# Altium PCB 1166V31.PcbDoc (part 6 of 7)
Units mil, origin at the board's own origin, x right, y up, seen from the top; angles counter-clockwise.
Board outline 6140.98 x 3937.01 mil, 8 copper layers (Top Layer, Layer 1, Layer 2, Layer 3, Layer 4, Layer 5, Layer 6, Bottom Layer), stack 63.002 mil thick; 647 components, 363 nets, 2300 pads, 1594 vias.
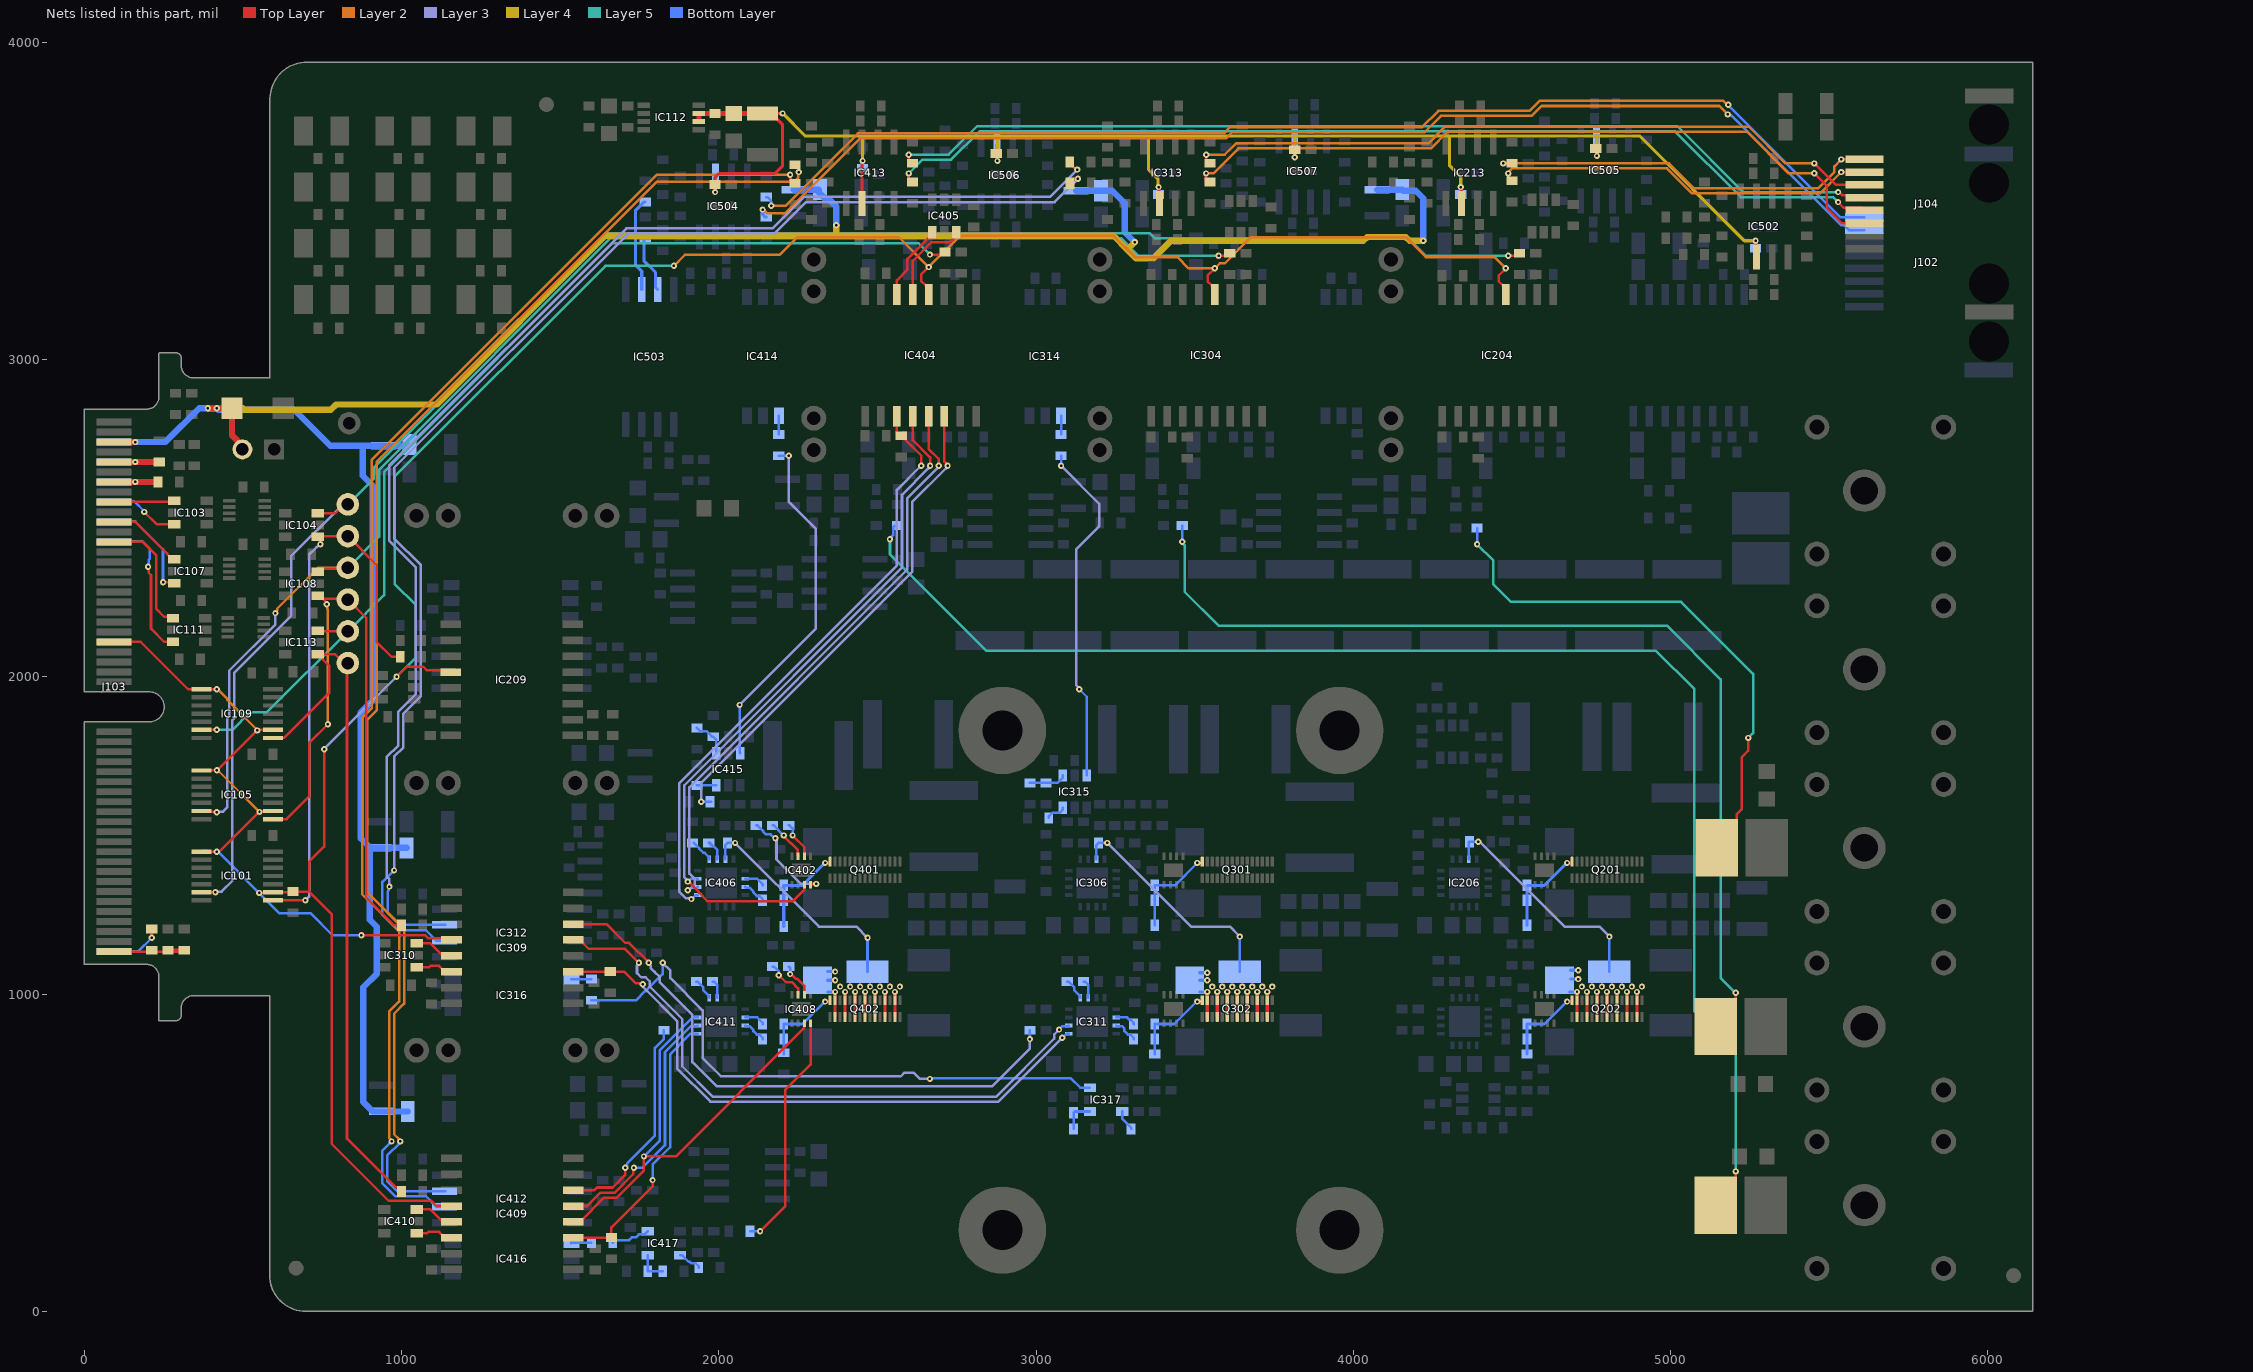
[diagram p12: the nets of this part, all layers, seen from the top]

## Via types
v1: diameter 19.68, hole 7.87, Top Layer to Bottom Layer, 1594 vias

## Nets (pads, with @x,y where several pads share a name; then routed paths per layer and width w, separated by ;. In a path a pad name is that pad's centre, name@x,y a point inside that pad or via, vN(x,y) a via of type N, cw(c..) or ccw(c..) an arc to the next point about the centre after c; other vN are vias at no path point) (continued)
NetIC309_3: IC309.3 IC311.1 R322.2 | length 1913.5
  Top Layer w8: IC309.3@1541.34,1070.47 1657.09,1070.47 R322.2@1657.48,1070.87 1701.38,1070.87 1738.89,1033.35 1758.05,1033.35 v1(1760.29,1031.12)
  Layer 2 w8: v1@3082.68,859.26 v1(3082.68,862.2)
  Layer 3 w8: v1(1760.29,1031.12) 1761.65,1029.76 1761.65,1021.49 1868.61,914.53 1868.61,765.81 1973.64,660.79 2881.26,660.79 3079.73,859.26 v1@3082.68,859.26
  Bottom Layer w8: v1(3082.68,862.2) 3083.66,862.2 3096.46,875 IC311.1@3102.36,875
NetIC309_5: IC309.5 IC311.2 | length 1990.7
  Top Layer w8: IC309.5@1541.34,1170.47 1562.01,1170.47 1589.87,1142.61 1703.72,1142.61 v1(1748.03,1098.3)
  Layer 2 w8: v1@3072.47,887.83 v1(3072.47,888.16)
  Layer 3 w8: v1(1748.03,1098.3) 1748.03,1095.14 1741.94,1089.04 1741.94,1065.76 1754.73,1052.96 1769.33,1052.96 1782.13,1040.17 1782.13,1023.64 1884.61,921.16 1884.61,772.44 1980.27,676.79 2874.63,676.79 3057.19,859.34 3057.19,872.55 v1@3072.47,887.83
  Bottom Layer w8: v1@3072.47,888.2 3082.95,898.69 3100.46,898.69 IC311.2@3102.36,900.59
NetIC309_6: IC309.6 R325.2 | length 1861.2
  Top Layer w8: IC309.6@1541.34,1220.47 1645.67,1220.47 1704.97,1161.17 1716.78,1161.17 1779.15,1098.8 v1(1779.15,1098.43)
  Layer 3 w8: v1(1779.15,1098.43) 1779.15,1095.26 1784.99,1089.42 1784.99,1082.73 1797.71,1070.02 1797.71,1069.84 1814.13,1053.42 1814.13,1036.9 1916.61,934.41 1916.61,785.7 1993.52,708.79 2861.38,708.79 2980.32,827.72 v1(2980.32,858.27)
  Bottom Layer w8: v1(2980.32,858.27) R325.2@2980.32,885.83
NetIC309_13: IC309.13 IC310.3 | length 129.2
  Top Layer w8: IC310.3@1047.24,1159.55 1090.85,1159.55 1131.89,1118.5 IC309.13@1159.45,1118.5
NetIC309_14: IC309.14 IC310.1 | length 100.4
  Top Layer w8: IC310.1@1047.24,1084.55 1086.87,1084.55 1091.22,1088.9 1118.39,1088.9 IC309.14@1137.8,1069.49
NetIC311_5: IC311.5 R329.1 | length 70.2
  Bottom Layer w8: R329.1@3098.43,1039.37 3102.36,1039.37 3119.89,1021.84 3119.89,1012.98 3138.78,994.09 IC311.5@3138.78,988.19
NetIC311_6: IC311.6 R330.1 | length 59.6
  Bottom Layer w8: R330.1@3149.61,1039.37 3153.54,1039.37 3164.37,1028.54 IC311.6@3164.37,988.19
NetIC311_10: IC311.10 R324.1 | length 66
  Bottom Layer w8: IC311.10@3251.97,926.18 3286.42,926.18 3293.37,919.23 3297.31,919.23 3307.09,909.45 R324.1@3307.09,905.51
NetIC311_11: IC311.11 R342.1 | length 79.6
  Bottom Layer w8: IC311.11@3251.97,900.59 3253.87,898.69 3270.61,898.69 3278.12,891.17 3278.12,883.18 3289.32,871.98 3297.31,871.98 3307.09,862.2 R342.1@3307.09,858.27
NetIC312_6: IC312.6 R338.1 | length 4291.2
  Top Layer w8: R338.1@3106.69,3555.12 3106.69,3559.06 3116.47,3568.83 3131.22,3568.83 v1(3131.8,3569.42)
  Layer 3 w8: v1(976.38,1389.76) 976.38,1748.03 1005.72,1777.37 1005.72,1883.67 1060.83,1938.79 1060.83,2352.05 976.63,2436.26 976.63,2658.73 1715.29,3397.39 2175.92,3397.39 2274.6,3496.06 3058.45,3496.06 v1(3131.8,3569.42)
  Bottom Layer w8: v1(976.38,1389.76) 939.76,1353.15 939.76,1250.66 988.71,1201.72 1076.24,1201.72 1110.24,1167.72 IC312.6@1137.8,1167.72
NetIC312_7: IC312.7 R334.1 | length 4277.1
  Top Layer w8: R334.1@3106.3,3622.05 3106.3,3618.11 3123.75,3600.66 3127.69,3600.66 v1(3129.92,3598.43)
  Layer 3 w8: v1(961.61,1338.58) 961.61,1362.02 952.76,1370.87 952.76,1747.04 989.72,1784 989.72,1890.3 1044.83,1945.41 1044.83,2344.93 960.63,2429.13 960.63,2665.35 1708.66,3413.39 2169.29,3413.39 2268.32,3512.41 3043.91,3512.41 v1(3129.92,3598.43)
  Bottom Layer w8: v1(961.61,1338.58) 959.37,1336.35 959.37,1327.61 955.76,1324.01 955.76,1257.29 995.34,1217.72 IC312.7@1137.8,1217.72
NetIC314_1: IC314.1 R344.2 | length 59.1
  Bottom Layer w8: R344.2@3078.74,2763.78 IC314.1@3078.74,2822.83
NetIC315_3: IC315.3 R346.2 | length 64.2
  Bottom Layer w8: R346.2@3039.37,1555.12 3039.37,1559.06 3051.79,1571.48 3075.05,1571.48 3084.55,1580.98 IC315.3@3084.55,1586.98
NetIC315_4: IC315.4 R347.2 R348.2 | length 117.5
  Bottom Layer w8: R348.2@2980.32,1665.35 R347.2@3031.5,1665.35 3066.93,1665.35 3084.55,1682.98 IC315.4@3084.55,1688.98
NetIC315_6: IC315.6 R344.1 | length 1101.2
  Layer 3 w8: v1(3078.74,2665.35) 3199.01,2545.09 3199.01,2475.2 3196.85,2473.05 3196.85,2472.44 3126.77,2402.36 3126.77,1972.85 3135.83,1963.79 v1(3135.83,1960.63)
  Bottom Layer w8: v1(3078.74,2665.35) R344.1@3078.74,2696.85 ; v1(3135.83,1960.63) 3159.55,1936.91 IC315.6@3159.55,1688.98
NetIC316_1: IC316.1 R350.2 | length 63.5
  Bottom Layer w8: IC316.1@1535.43,1046.06 1536.61,1047.24 R350.2@1598.43,1047.24
NetIC317_3: IC317.3 R352.2 | length 66.3
  Bottom Layer w8: IC317.3@3271.65,629.72 3271.65,606.3 3279.53,598.43 3299.21,578.74 R352.2@3299.21,574.8
NetIC317_4: IC317.4 R353.2 R354.2 | length 104.3
  Bottom Layer w8: R354.2@3118.11,574.8 R353.2@3118.11,625.98 3121.85,629.72 IC317.4@3169.65,629.72
NetIC317_6: IC317.6 R350.1 | length 1917.3
  Layer 3 w8: v1(1822.84,1098.41) 1847.08,1074.17 1847.08,1050.15 1948.61,948.61 1948.61,798.95 2006.78,740.79 2573.75,740.79 2585.43,752.47 2613.67,752.47 2633.86,732.28 v1(2665.35,732.28)
  Bottom Layer w8: R350.1@1598.43,980.31 1738.76,980.31 1767.72,1009.28 1769.33,1009.28 1822.84,1062.78 v1(1822.84,1098.41) ; v1(2665.35,732.28) 2667.51,734.44 3109.3,734.44 3139.02,704.72 IC317.6@3169.65,704.72
NetIC402_2: IC402.2 R406.1 | length 118.1
  Top Layer w8: v1(2232.41,1500) 2269.69,1462.72 IC402.2@2269.69,1435.04
  Bottom Layer w8: R406.1@2220.47,1531.5 2222.63,1531.5 2232.41,1521.72 v1(2232.41,1500)
NetIC402_3: IC402.3 R405.1 | length 133.8
  Top Layer w8: v1(2204.72,1499.87) 2204.72,1496.8 2226.87,1474.65 2228.53,1474.65 2249.08,1454.1 2249.08,1435.96 IC402.3@2250,1435.04
  Bottom Layer w8: R405.1@2169.29,1531.5 2173.23,1531.5 2187.9,1516.82 2187.9,1515.6 2203.63,1499.87 v1(2204.72,1499.87)
NetIC402_7: IC402.7 IC404.4 IC406.3 | length 2274.7
  Top Layer w8: v1(1901.57,1354.46) 1904.74,1354.46 1910.58,1348.61 ; 1910.62,1348.61 1937.01,1322.23 1937.01,1319.5 1963.39,1293.12 2234.06,1293.12 2268.76,1327.82 2268.76,1343.57 IC402.7@2269.69,1344.49 ; IC404.4@2611.02,2820.87 2611.02,2746.25 2665.61,2691.67 v1(2665.61,2665.35)
  Layer 2 w8: v1(1901.57,1354.46) v1@1901.57,1357.62
  Layer 3 w8: v1@1901.57,1357.62 1891.29,1367.9 1891.29,1658.01 2577.21,2343.93 2577.21,2573.28 2659.76,2655.83 2659.76,2656.35 2665.61,2662.19 v1(2665.61,2665.35)
  Bottom Layer w8: v1(1901.57,1354.46) 1902.93,1354.46 1911.66,1363.19 IC406.3@1933.07,1363.19
NetIC402_8: IC402.8 R445.2 | length 327.7
  Top Layer w8: IC402.8@2289.37,1344.49 2289.37,1344.81 2290.29,1345.73 2305.84,1345.73 v1(2307.09,1346.98)
  Layer 3 w8: v1(2178.42,1491.25) v1@2178.42,1489.35 ; v1@2182.36,1485.41 v1@2178.42,1489.35 ; v1(2307.09,1346.98) 2259.32,1346.98 2181.73,1424.57 2181.73,1486.04 v1@2178.42,1489.35
  Bottom Layer w8: R445.2@2118.11,1531.5 2122.05,1531.5 2139.57,1513.97 2139.57,1512.75 2149.19,1503.13 2163.44,1503.13 2175.33,1491.25 v1(2178.42,1491.25)
NetIC404_3: IC404.3 IC406.1 R408.2 | length 1923.6
  Top Layer w8: IC404.3@2561.02,2820.87 2561.02,2773.62 2561.09,2773.56 2561.09,2769.62 2570.87,2759.84 R408.2@2574.8,2759.84 2578.74,2759.84 2588.52,2750.06 2588.52,2746.13 2637.92,2696.72 v1(2637.92,2665.35)
  Layer 2 w8: v1@1911.15,1301.45 v1(1913.39,1299.21)
  Layer 3 w8: v1@1911.15,1301.45 1896.01,1301.45 1875.29,1322.17 1875.29,1664.64 2561.21,2350.56 2561.21,2588.65 v1(2637.92,2665.35)
  Bottom Layer w8: v1(1913.39,1299.21) 1914.37,1299.21 1927.17,1312.01 IC406.1@1933.07,1312.01
NetIC404_5: IC404.5 IC406.2 | length 1889.8
  Top Layer w8: IC404.5@2661.02,2820.87 2661.42,2820.47 2661.42,2718.48 2692.7,2687.2 2692.7,2665.94 v1(2693.29,2665.35)
  Layer 2 w8: v1(1901.57,1326.77) v1@1904.74,1326.77
  Layer 3 w8: v1(1901.57,1326.77) 1904.78,1326.77 1923.42,1345.41 1923.42,1363.5 1907.29,1379.63 1907.29,1651.39 2593.21,2337.31 2593.21,2562.07 2687.45,2656.31 ; 2687.45,2656.35 2693.29,2662.19 v1(2693.29,2665.35)
  Bottom Layer w8: v1(1901.57,1326.77) 1904.74,1326.77 1913.66,1335.69 1931.17,1335.69 IC406.2@1933.07,1337.6
NetIC404_6: IC404.6 R411.2 | length 1571.7
  Top Layer w8: IC404.6@2711.02,2820.87 2711.02,2678.47 2720.98,2668.52 v1(2720.98,2665.35)
  Layer 3 w8: v1(1944.88,1606.3) 1944.88,1666.35 2609.21,2330.68 2609.21,2550.39 2715.13,2656.31 ; 2715.13,2656.35 2720.98,2662.19 v1(2720.98,2665.35)
  Bottom Layer w8: v1(1944.88,1606.3) R411.2@1972.44,1606.3 R411.2@1976.38,1606.3
NetIC404_13: IC404.13 IC405.3 | length 288.1
  Top Layer w8: IC404.13@2611.02,3204.72 2611.02,3310.94 2670.16,3370.07 2729,3370.07 2738.53,3379.6 2738.53,3392.07 IC405.3@2748.03,3401.57
NetIC404_14: IC404.14 IC405.1 | length 243.2
  Top Layer w8: IC404.14@2561.02,3204.72 2561.02,3249.53 2594.49,3282.99 2594.49,3317.03 2673.03,3395.57 IC405.1@2673.03,3401.57
NetIC406_5: IC406.5 R414.1 | length 73.6
  Bottom Layer w8: R414.1@1921.26,1476.38 1938.79,1458.85 1938.79,1457.63 1951.1,1445.32 1955.27,1445.32 1969.49,1431.1 IC406.5@1969.49,1425.2
NetIC406_6: IC406.6 R415.1 | length 74.2
  Bottom Layer w8: R415.1@1975.39,1469.49 R415.1@1968.5,1476.38 1972.44,1476.38 1995.08,1453.74 IC406.6@1995.08,1425.2
NetIC406_10: IC406.10 R410.1 | length 66
  Bottom Layer w8: IC406.10@2082.68,1363.19 2121.06,1363.19 2137.8,1346.46 R410.1@2137.8,1342.52
NetIC406_11: IC406.11 R441.1 | length 76.8
  Bottom Layer w8: IC406.11@2082.68,1337.6 2084.58,1335.69 2096.51,1335.69 2108.49,1323.71 2108.49,1320.53 2120.03,1308.99 2128.02,1308.99 2137.8,1299.21 R441.1@2137.8,1295.28
NetIC408_2: IC408.2 R421.1 | length 113.6
  Top Layer w8: v1(2224.41,1062.99) 2227.35,1062.99 2241.69,1048.66 2246.62,1048.66 2269.69,1025.59 IC408.2@2269.69,998.03
  Bottom Layer w8: R421.1@2220.47,1086.61 2224.41,1082.68 v1(2224.41,1062.99)
NetIC408_3: IC408.3 R420.1 | length 135.9
  Top Layer w8: v1(2188.98,1059.06) 2210.76,1037.27 2230.45,1037.27 2250,1017.72 IC408.3@2250,998.03
  Bottom Layer w8: R420.1@2169.29,1086.61 2173.23,1086.61 2188.98,1070.87 v1(2188.98,1059.06)
NetIC408_7: IC408.7 IC409.4 IC411.3 | length 1539.3
  Top Layer w8: IC409.4@1541.34,281.89 1562.01,281.89 1638.39,358.27 1678.73,358.27 1763.78,443.32 v1(1763.78,488.19) 1864.23,488.19 2268.76,892.72 2268.76,906.56 IC408.7@2269.69,907.48
  Bottom Layer w8: v1(1763.78,488.19) 1814.27,538.68 1814.27,823.34 1917.11,926.18 IC411.3@1933.07,926.18
NetIC408_8: IC408.8 R451.2 | length 753.1
  Top Layer w8: v1(2129.92,251.97) 2208.66,330.71 2208.66,696.85 2289.37,777.56 IC408.8@2289.37,907.48
  Bottom Layer w8: R451.2@2098.43,251.97 v1(2129.92,251.97)
NetIC409_3: IC409.3 IC411.1 R422.2 | length 888.3
  Top Layer w8: IC409.3@1541.34,231.89 1661.02,231.89 R422.2@1661.42,232.28 1661.42,264.1 1791.21,393.9 v1(1791.21,413.51)
  Bottom Layer w8: v1(1791.21,413.51) 1791.21,462.1 1846.27,517.16 1846.27,810.09 1911.18,875 IC411.1@1933.07,875
NetIC409_5: IC409.5 IC411.2 | length 809.5
  Top Layer w8: IC409.5@1541.34,331.89 1584.85,331.89 1627.23,374.27 1672.1,374.27 1730.17,432.34 1730.17,450.52 v1(1732.41,452.76)
  Bottom Layer w8: v1(1732.41,452.76) 1759.24,452.76 1830.27,523.79 1830.27,816.72 1912.24,898.69 1931.17,898.69 IC411.2@1933.07,900.59
NetIC409_6: IC409.6 R425.2 | length 690
  Top Layer w8: IC409.6@1541.34,381.89 1607.49,381.89 1615.87,390.27 1665.47,390.27 1704.72,429.52 v1(1704.72,452.76)
  Bottom Layer w8: v1(1704.72,452.76) 1704.72,455.92 1710.57,461.76 1710.57,465.87 1798.27,553.57 1798.27,829.97 1826.77,858.47 R425.2@1826.77,885.83
NetIC409_13: IC409.13 IC410.3 | length 129.2
  Top Layer w8: IC410.3@1047.24,320.96 1090.85,320.96 1131.89,279.92 IC409.13@1159.45,279.92
NetIC409_14: IC409.14 IC410.1 | length 122.5
  Top Layer w8: IC410.1@1047.24,245.96 1080.81,245.96 1085.16,250.31 1118.39,250.31 1138.78,229.92 IC409.14@1159.45,229.92
NetIC411_5: IC411.5 R429.1 | length 70.2
  Bottom Layer w8: R429.1@1929.13,1039.37 1933.07,1039.37 1950.6,1021.84 1950.6,1012.98 1969.49,994.09 IC411.5@1969.49,988.19
NetIC411_6: IC411.6 R430.1 | length 59.6
  Bottom Layer w8: R430.1@1980.32,1039.37 1984.25,1039.37 1995.08,1028.54 IC411.6@1995.08,988.19
NetIC411_10: IC411.10 R424.1 | length 66
  Bottom Layer w8: IC411.10@2082.68,926.18 2121.06,926.18 2137.8,909.45 R424.1@2137.8,905.51
NetIC411_11: IC411.11 R442.1 | length 76.8
  Bottom Layer w8: IC411.11@2082.68,900.59 2084.58,898.69 2096.51,898.69 2108.49,886.7 2108.49,883.52 2120.03,871.98 2128.02,871.98 2137.8,862.2 R442.1@2137.8,858.27
NetIC412_6: IC412.6 R438.1 | length 4326.3
  Top Layer w8: v1(2224.41,3582.55) 2224.41,3570.87 2226.44,3568.83 2226.44,3564.9 2236.22,3555.12 R438.1@2240.16,3555.12
  Layer 2 w8: v1(968.38,535.43) 968.38,538.6 960.88,546.09 960.88,945.13 992.13,976.38 992.13,1197.85 875.54,1314.43 875.54,1870.61 905.51,1900.58 905.51,2683.25 1804.82,3582.55 v1(2224.41,3582.55)
  Bottom Layer w8: v1(968.38,535.43) 968.38,535.31 938.54,505.46 938.54,403.98 979.39,363.13 1076.24,363.13 1110.24,329.13 IC412.6@1137.8,329.13
NetIC412_7: IC412.7 R434.1 | length 4309
  Top Layer w8: R434.1@2240.16,3614.17 2242.19,3614.17 2251.97,3604.39 v1(2251.97,3590.55)
  Layer 2 w8: v1(996.06,535.43) 996.06,538.6 990.22,544.44 990.22,544.61 976.88,557.95 976.88,938.51 1008.13,969.75 1008.13,1204.47 891.54,1321.06 891.54,1863.98 921.51,1893.95 921.51,2676.62 1805.6,3560.71 2237.87,3560.71 2249.73,3572.57 2249.73,3588.32 v1(2251.97,3590.55)
  Bottom Layer w8: v1(996.06,535.43) 996.06,532.1 954.54,490.57 954.54,410.61 986.01,379.13 IC412.7@1137.8,379.13
NetIC414_1: IC414.1 R444.2 | length 59.1
  Bottom Layer w8: R444.2@2188.98,2763.78 IC414.1@2188.98,2822.83
NetIC415_3: IC415.3 R446.2 | length 60.9
  Bottom Layer w8: R446.2@1931,1657.48 IC415.3@1991.93,1657.48
NetIC415_4: IC415.4 R447.2 R448.2 | length 118.2
  Bottom Layer w8: R448.2@1931,1838.58 1940.78,1828.8 1960.47,1828.8 1978.25,1811.02 R447.2@1982.19,1811.02 1991.93,1801.28 IC415.4@1991.93,1759.48
NetIC415_6: IC415.6 R444.1 | length 1104.5
  Layer 3 w8: v1(2065.34,1911.04) 2305.83,2151.53 2305.83,2465.82 2220.47,2551.18 v1(2220.47,2696.85)
  Bottom Layer w8: v1(2065.34,1911.04) 2065.34,1761.07 IC415.6@2066.93,1759.48 ; R444.1@2188.98,2696.85 v1(2220.47,2696.85)
NetIC416_1: IC416.1 R450.2 | length 63.5
  Bottom Layer w8: IC416.1@1535.43,215.35 1536.61,216.54 R450.2@1598.43,216.54
NetIC417_3: IC417.3 R452.2 | length 78
  Bottom Layer w8: IC417.3@1877.59,177.17 1883.59,177.17 1905.06,155.7 1908.51,155.7 1912.7,151.51 1927.23,151.51 1937.01,141.73 R452.2@1937.01,137.8
NetIC417_4: IC417.4 R453.2 R454.2 | length 98.4
  Bottom Layer w8: IC417.4@1775.59,177.17 R453.2@1775.59,125.98 R454.2@1822.83,125.98
NetIC417_6: IC417.6 R450.1 | length 125
  Bottom Layer w8: R450.1@1665.35,216.54 1673.23,224.41 1716.92,224.41 1725.67,233.17 1738.32,233.17 1747.82,242.67 1766.09,242.67 IC417.6@1775.59,252.17
NetIC503_6: IC503.6 R520.1 | length 298.9
  Bottom Layer w10: IC503.6@1757.09,3220.47 1757.09,3278.35 1737,3298.43 1737,3469.28 1763.78,3496.06 R520.1@1767.72,3496.06
NetIC503_7: IC503.7 R514.1 | length 181
  Bottom Layer w10: R514.1@1767.72,3381.89 1763.78,3377.95 1763.78,3311.02 1800.28,3274.53 1800.28,3227.28 IC503.7@1807.09,3220.47
NetJ103_99: J103.99 R102.2 R103.1 R104.2 | length 278
  Top Layer w8: J103.99@93.96,1133.68 R102.2@259.67,1133.68 ; R102.2@263.78,1137.8 R102.2@259.67,1133.68 ; R104.2@314.96,1133.68 R102.2@259.67,1133.68
  Top Layer w10: R102.2@263.78,1137.8 R104.2@314.96,1137.8
NetJ103_100: J103.100 R103.2 | length 164.2
  Top Layer w8: v1(212.6,1177.17) R103.2@212.6,1204.72
  Bottom Layer w8: J103.100@93.96,1133.68 169.12,1133.68 v1(212.6,1177.17)
NetQ201_1: Q201.1 R209.2 R210.2 R241.2 | length 297.1
  Top Layer w10: v1(4673.23,1413.39) Q201.1@4688.98,1413.39
  Bottom Layer w10: R209.2@4547.24,1216.54 R241.2@4547.24,1295.28 R210.2@4547.24,1342.52 4602.36,1342.52 v1(4673.23,1413.39)
NetQ202_1: Q202.1 R223.2 R224.2 R242.2 | length 265.6
  Top Layer w10: v1(4673.23,976.38) Q202.1@4688.98,976.38
  Bottom Layer w10: R223.2@4547.24,811.02 R242.2@4547.24,858.27 R224.2@4547.24,905.51 4602.36,905.51 v1(4673.23,976.38)
NetQ301_1: Q301.1 R309.2 R310.2 R341.2 | length 304.9
  Top Layer w10: v1(3507.87,1413.39) Q301.1@3523.62,1413.39
  Bottom Layer w8: R309.2@3374.02,1216.54 R341.2@3374.02,1295.28 R310.2@3374.02,1342.52 3437.01,1342.52 v1(3507.87,1413.39)
NetQ302_1: Q302.1 R323.2 R324.2 R342.2 | length 273.4
  Top Layer w10: v1(3507.87,976.38) Q302.1@3523.62,976.38
  Bottom Layer w8: R323.2@3374.02,811.02 R324.2@3374.02,905.51 3435.39,905.51 3506.26,976.38 v1(3507.87,976.38)
NetQ401_1: Q401.1 R409.2 R410.2 R441.2 | length 307.7
  Top Layer w10: v1(2334.65,1413.39) Q401.1@2350.39,1413.39
  Bottom Layer w10: R409.2@2204.72,1212.6 R441.2@2204.72,1295.28 R410.2@2204.72,1342.52 2263.78,1342.52 v1(2334.65,1413.39) ; v1@2332.68,1415.35 v1@2334.65,1417.32
NetQ402_1: Q402.1 R423.2 R424.2 R442.2 | length 271.1
  Top Layer w10: v1(2334.65,976.38) Q402.1@2350.39,976.38
  Bottom Layer w8: R423.2@2204.72,811.02 R442.2@2204.72,858.27 R424.2@2204.72,905.51 2263.78,905.51 v1(2334.65,976.38) v1@2333.03,976.38
P3V3: J103.13 J103.14 L103.1 | length 204.6
  Top Layer w20: J103.13@93.96,2614 94.05,2614.08 L103.1@232.28,2614.08
  Bottom Layer w20: J103.14@93.96,2614 v1@160.18,2614
  other v1: 160.27,2613.91
P5V: J103.9 J103.10 L102.1 | length 208.5
  Top Layer w20: J103.9@93.96,2676.99 94.05,2677.08 L102.1@236.22,2677.08
  Bottom Layer w20: J103.10@93.96,2676.99 v1@160.18,2676.99
  other v1: 160.27,2676.9
P24V: C206.2 C226.2 C306.2 C326.2 C406.2 C426.2 D101.2 J101.2 J103.5 J103.6 L201.1 L203.1 L301.1 L303.1 L401.1 L403.1 | length 8712.8
  Top Layer w10: v1@160.18,2739.98 v1(160.27,2739.89)
  Top Layer w20: J103.5@93.96,2739.98 v1@160.18,2739.98 ; v1(389.76,2846.46) v1(417.32,2846.46) D101.2@465.47,2846.46 465.47,2761.12 498.43,2728.17 J101.2@498.43,2716.54
  Layer 4 w20: v1(389.76,2846.46) v1(417.32,2846.46) 499.68,2846.46 504.26,2841.87 777.28,2841.87 793.67,2858.27 1110.24,2858.27 1641.73,3389.76 2370.08,3389.76 ; v1(2370.08,3423.42) 2370.08,3389.76 ; v1(3311.02,3370.08) 3287.4,3346.46 ; v1(4220.47,3374.02) 4177.17,3374.02 4165.35,3385.83 4043.31,3385.83 4031.5,3374.02 3425.2,3374.02 3370.08,3318.9 3314.96,3318.9 3287.4,3346.46 ; 2370.08,3389.76 3244.09,3389.76 3287.4,3346.46
  Bottom Layer w10: v1@160.18,2739.98 v1(160.27,2739.89)
  Bottom Layer w20: J103.6@93.96,2739.98 v1@160.18,2739.98 ; v1(160.27,2739.89) 255.64,2739.89 362.2,2846.46 v1(389.76,2846.46) v1(417.32,2846.46) 421.91,2841.87 662.06,2841.87 775.59,2728.35 877.95,2728.35 ; C326.2@1015.75,1460.63 L303.1@929.13,1460.63 L303.1@901.57,1460.63 ; C426.2@1019.69,629.92 L403.1@937.01,629.92 909.45,629.92 879.64,659.73 879.64,1021.37 921.26,1062.99 921.26,1212.6 899.76,1234.09 899.76,1458.82 L303.1@901.57,1460.63 ; C226.2@1021.26,2728.35 L203.1@942.52,2728.35 877.95,2728.35 ; L401.1@2236.22,3535.43 2314.96,3535.43 2314.96,3527.56 2338.3,3504.22 2348.01,3504.22 2370.08,3482.15 v1(2370.08,3423.42) ; L301.1@3125.98,3531.5 C306.2@3204.72,3531.5 3240.16,3531.5 3279.53,3492.13 3279.53,3401.57 v1(3311.02,3370.08) ; L201.1@4074.8,3535.43 C206.2@4153.54,3535.43 4157.48,3531.5 4196.85,3531.5 4220.47,3507.87 v1(4220.47,3374.02) ; 877.95,2728.35 877.95,2633.6 909.45,2602.1 909.45,1925.2 871.76,1887.51 871.76,1490.44 L303.1@901.57,1460.63
PWM_EN: IC101.1 IC101.9 IC105.1 IC105.9 IC109.1 IC109.9 IC204.12 IC209.12 IC304.12 IC309.12 IC404.12 IC409.12 J103.45 R101.1 | length 9600.4